# KiCad board panel.kicad_pcb (continued)
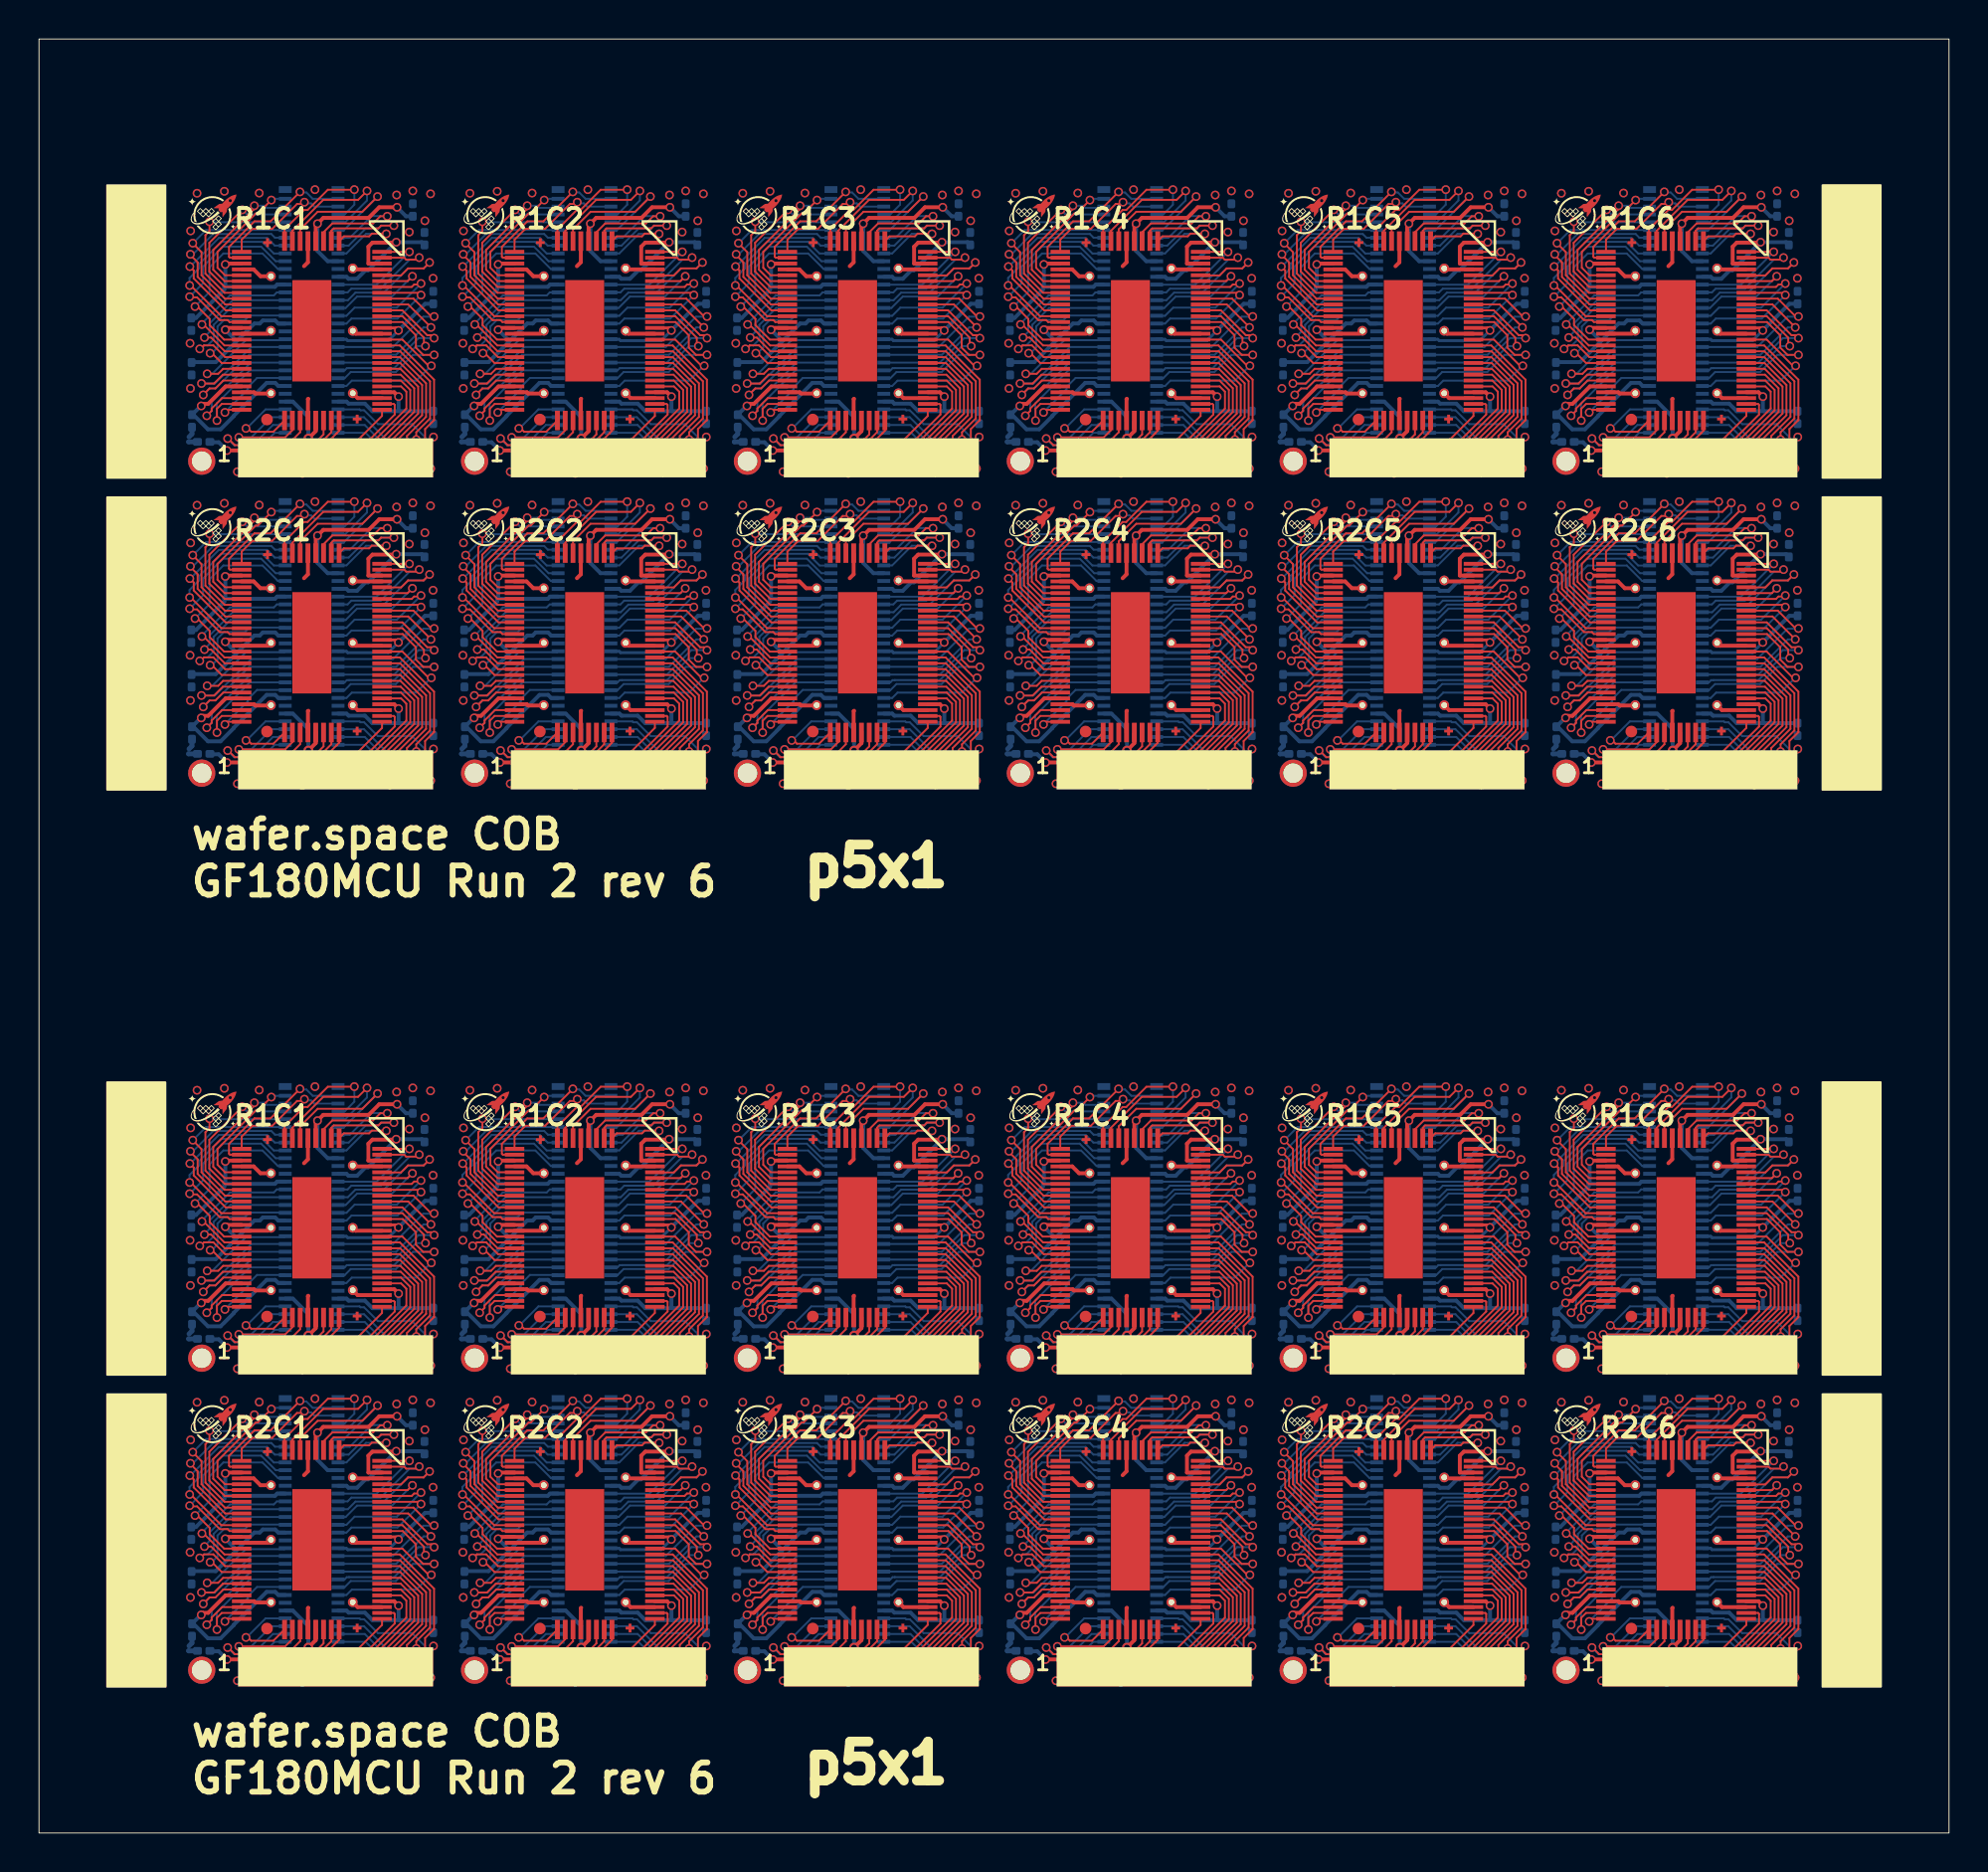
[diagram p0: board, top side]
## Routing (per net, layer and track width the routed paths; a pad name or vN(x,y) marks a point on that pad's centre or on a via; arc(x,y) is an arc through that point) (continued)
  Bottom w0.1: 85.35,78.21 85.73,78.21 86.32,78.79 88.11,78.79 89.15,79.83 v1(89.16,79.83) ; v1(89.16,17.83) 89.15,17.83 88.11,16.79 86.32,16.79 85.73,16.21 85.35,16.21 ; v1(19.16,79.83) 19.15,79.83 18.11,78.79 16.32,78.79 15.73,78.21 15.35,78.21 ; 29.35,62.21 29.73,62.21 30.32,62.79 32.11,62.79 33.15,63.83 v1(33.16,63.83) ; 57.35,62.21 57.73,62.21 58.32,62.79 60.11,62.79 61.15,63.83 v1(61.16,63.83) ; v1(75.16,63.83) 75.15,63.83 74.11,62.79 72.32,62.79 71.73,62.21 71.35,62.21 ; 43.35,62.21 43.73,62.21 44.32,62.79 46.11,62.79 47.15,63.83 v1(47.16,63.83) ; v1(19.16,63.83) 19.15,63.83 18.11,62.79 16.32,62.79 15.73,62.21 15.35,62.21 ; 57.35,78.21 57.73,78.21 58.32,78.79 60.11,78.79 61.15,79.83 v1(61.16,79.83) ; 29.35,16.21 29.73,16.21 30.32,16.79 32.11,16.79 33.15,17.83 v1(33.16,17.83) ; v1(75.16,79.83) 75.15,79.83 74.11,78.79 72.32,78.79 71.73,78.21 71.35,78.21 ; 29.35,32.21 29.73,32.21 30.32,32.79 32.11,32.79 33.15,33.83 v1(33.16,33.83) ; v1(47.16,33.83) 47.15,33.83 46.11,32.79 44.32,32.79 43.73,32.21 43.35,32.21 ; 43.35,16.21 43.73,16.21 44.32,16.79 46.11,16.79 47.15,17.83 v1(47.16,17.83) ; v1(19.16,33.83) 19.15,33.83 18.11,32.79 16.32,32.79 15.73,32.21 15.35,32.21 ; 15.35,16.21 15.73,16.21 16.32,16.79 18.11,16.79 19.15,17.83 v1(19.16,17.83) ; v1(89.16,33.83) 89.15,33.83 88.11,32.79 86.32,32.79 85.73,32.21 85.35,32.21 ; 71.35,32.21 71.73,32.21 72.32,32.79 74.11,32.79 75.15,33.83 v1(75.16,33.83) ; 29.35,78.21 29.73,78.21 30.32,78.79 32.11,78.79 33.15,79.83 v1(33.16,79.83) ; v1(47.16,79.83) 47.15,79.83 46.11,78.79 44.32,78.79 43.73,78.21 43.35,78.21 ; v1(89.16,63.83) 89.15,63.83 88.11,62.79 86.32,62.79 85.73,62.21 85.35,62.21 ; v1(61.16,33.83) 61.15,33.83 60.11,32.79 58.32,32.79 57.73,32.21 57.35,32.21 ; v1(61.16,17.83) 61.15,17.83 60.11,16.79 58.32,16.79 57.73,16.21 57.35,16.21 ; v1(75.16,17.83) 75.15,17.83 74.11,16.79 72.32,16.79 71.73,16.21 71.35,16.21
/bidir_19: length 197.2
  Top w0.1: U112.32 87.61,33.88 88.58,33.88 88.93,34.24 89.73,34.24 v1(90.04,34.54) ; 73.6,79.89 73.61,79.88 74.58,79.88 74.93,80.24 75.73,80.24 v1(76.04,80.54) ; U104#2.32 31.61,33.88 32.58,33.88 32.94,34.24 33.73,34.24 v1(34.04,34.54) ; v1(48.04,80.54) 47.73,80.24 46.94,80.24 46.58,79.88 45.61,79.88 45.6,79.89 ; U122.32 73.61,63.88 74.58,63.88 74.93,64.24 75.73,64.24 v1(76.04,64.54) ; v1(76.04,18.54) 75.73,18.24 74.93,18.24 74.58,17.88 73.61,17.88 U122#2.32 ; U108.32 59.61,33.88 60.58,33.88 60.94,34.24 61.73,34.24 v1(62.04,34.54) ; v1(90.04,64.54) 89.73,64.24 88.93,64.24 88.58,63.88 87.61,63.88 U124#2.32 ; v1(20.04,64.54) 19.73,64.24 18.94,64.24 18.58,63.88 17.61,63.88 U114.32 ; v1(48.04,64.54) 47.73,64.24 46.94,64.24 46.58,63.88 45.61,63.88 U118#2.32 ; v1(20.04,34.54) 19.73,34.24 18.94,34.24 18.58,33.88 17.61,33.88 U102#2.32 ; U120.32 59.61,17.88 60.58,17.88 60.94,18.24 61.73,18.24 v1(62.04,18.54) ; U110#2.32 73.61,33.88 74.58,33.88 74.93,34.24 75.73,34.24 v1(76.04,34.54) ; U118.32 45.61,17.88 46.58,17.88 46.94,18.24 47.73,18.24 v1(48.04,18.54) ; U106.32 45.61,33.88 46.58,33.88 46.94,34.24 47.73,34.24 v1(48.04,34.54) ; 59.6,79.89 59.61,79.88 60.58,79.88 60.94,80.24 61.73,80.24 v1(62.04,80.54) ; v1(62.04,64.54) 61.73,64.24 60.94,64.24 60.58,63.88 59.61,63.88 U120#2.32 ; U124.32 87.61,17.88 88.58,17.88 88.93,18.24 89.73,18.24 v1(90.04,18.54) ; 87.6,79.89 87.61,79.88 88.58,79.88 88.93,80.24 89.73,80.24 v1(90.04,80.54) ; v1(34.04,18.54) 33.73,18.24 32.94,18.24 32.58,17.88 31.61,17.88 U116#2.32 ; v1(20.04,80.54) 19.73,80.24 18.94,80.24 18.58,79.88 17.61,79.88 17.6,79.89 ; 31.6,79.89 31.61,79.88 32.58,79.88 32.94,80.24 33.73,80.24 v1(34.04,80.54) ; U116.32 31.61,63.88 32.58,63.88 32.94,64.24 33.73,64.24 v1(34.04,64.54) ; U114#2.32 17.61,17.88 18.58,17.88 18.94,18.24 19.73,18.24 v1(20.04,18.54)
  Bottom w0.1: U113.49 15.85,16.6 16.24,16.99 17.69,16.99 18.94,18.24 19.73,18.24 v1(20.04,18.54) ; v1(76.04,64.54) 75.73,64.24 74.93,64.24 73.69,62.99 72.24,62.99 71.85,62.6 71.35,62.6 ; v1(48.04,80.54) 47.73,80.24 46.94,80.24 45.69,78.99 44.24,78.99 43.85,78.6 U105.49 ; U123.49 85.85,16.6 86.24,16.99 87.69,16.99 88.93,18.24 89.73,18.24 v1(90.04,18.54) ; v1(20.04,34.54) 19.73,34.24 18.94,34.24 17.69,32.99 16.24,32.99 15.85,32.6 U101.49 ; v1(20.04,64.54) 19.73,64.24 18.94,64.24 17.69,62.99 16.24,62.99 15.85,62.6 U113#2.49 ; U119#2.49 57.85,16.6 58.24,16.99 59.69,16.99 60.94,18.24 61.73,18.24 v1(62.04,18.54) ; U103#2.49 29.85,78.6 30.24,78.99 31.69,78.99 32.94,80.24 33.73,80.24 v1(34.04,80.54) ; U111#2.49 85.85,78.6 86.24,78.99 87.69,78.99 88.93,80.24 89.73,80.24 v1(90.04,80.54) ; U123#2.49 85.85,62.6 86.24,62.99 87.69,62.99 88.93,64.24 89.73,64.24 v1(90.04,64.54) ; U103.49 29.85,32.6 30.24,32.99 31.69,32.99 32.94,34.24 33.73,34.24 v1(34.04,34.54) ; v1(62.04,34.54) 61.73,34.24 60.94,34.24 59.69,32.99 58.24,32.99 57.85,32.6 U107.49 ; U105#2.49 43.85,32.6 44.24,32.99 45.69,32.99 46.94,34.24 47.73,34.24 v1(48.04,34.54) ; 71.35,78.6 71.85,78.6 72.24,78.99 73.69,78.99 74.93,80.24 75.73,80.24 v1(76.04,80.54) ; v1(76.04,34.54) 75.73,34.24 74.93,34.24 73.69,32.99 72.24,32.99 71.85,32.6 71.35,32.6 ; U117.49 43.85,16.6 44.24,16.99 45.69,16.99 46.94,18.24 47.73,18.24 v1(48.04,18.54) ; U117#2.49 43.85,62.6 44.24,62.99 45.69,62.99 46.94,64.24 47.73,64.24 v1(48.04,64.54) ; v1(90.04,34.54) 89.73,34.24 88.93,34.24 87.69,32.99 86.24,32.99 85.85,32.6 U111.49 ; v1(62.04,64.54) 61.73,64.24 60.94,64.24 59.69,62.99 58.24,62.99 57.85,62.6 U119.49 ; U115#2.49 29.85,62.6 30.24,62.99 31.69,62.99 32.94,64.24 33.73,64.24 v1(34.04,64.54) ; U107#2.49 57.85,78.6 58.24,78.99 59.69,78.99 60.94,80.24 61.73,80.24 v1(62.04,80.54) ; U115.49 29.85,16.6 30.24,16.99 31.69,16.99 32.94,18.24 33.73,18.24 v1(34.04,18.54) ; U101#2.49 15.85,78.6 16.24,78.99 17.69,78.99 18.94,80.24 19.73,80.24 v1(20.04,80.54) ; 71.35,16.6 71.85,16.6 72.24,16.99 73.69,16.99 74.93,18.24 75.73,18.24 v1(76.04,18.54)
/bidir_20: length 165.6
  Top w0.1: v1(75.51,34.79) 75.4,34.69 74.84,34.69 74.74,34.79 U110#2.35 ; U104.35 32.74,80.79 32.84,80.69 33.41,80.69 v1(33.51,80.79) ; U116.35 32.74,64.79 32.84,64.69 33.41,64.69 v1(33.51,64.79) ; U110.35 74.74,80.79 74.84,80.69 75.4,80.69 v1(75.51,80.79) ; U102#2.35 18.74,34.79 18.84,34.69 19.41,34.69 v1(19.51,34.79) ; U118#2.35 46.74,64.79 46.84,64.69 47.41,64.69 v1(47.51,64.79) ; v1(61.51,64.79) 61.41,64.69 60.84,64.69 60.74,64.79 U120#2.35 ; v1(89.51,34.79) 89.4,34.69 88.84,34.69 88.74,34.79 U112.35 ; U114#2.35 18.74,18.79 18.84,18.69 19.41,18.69 v1(19.51,18.79) ; v1(47.51,18.79) 47.41,18.69 46.84,18.69 46.74,18.79 U118.35 ; U106#2.35 46.74,80.79 46.84,80.69 47.41,80.69 v1(47.51,80.79) ; U114.35 18.74,64.79 18.84,64.69 19.41,64.69 v1(19.51,64.79) ; U108#2.35 60.74,80.79 60.84,80.69 61.41,80.69 v1(61.51,80.79) ; U120.35 60.74,18.79 60.84,18.69 61.41,18.69 v1(61.51,18.79) ; U106.35 46.74,34.79 46.84,34.69 47.41,34.69 v1(47.51,34.79) ; v1(89.51,80.79) 89.4,80.69 88.84,80.69 88.74,80.79 U112#2.35 ; U122.35 74.74,64.79 74.84,64.69 75.4,64.69 v1(75.51,64.79) ; v1(75.51,18.79) 75.4,18.69 74.84,18.69 74.74,18.79 U122#2.35 ; U124.35 88.74,18.79 88.84,18.69 89.4,18.69 v1(89.51,18.79) ; v1(33.51,34.79) 33.41,34.69 32.84,34.69 32.74,34.79 U104#2.35 ; U102.35 18.74,80.79 18.84,80.69 19.41,80.69 v1(19.51,80.79) ; U108.35 60.74,34.79 60.84,34.69 61.41,34.69 v1(61.51,34.79) ; U116#2.35 32.74,18.79 32.84,18.69 33.41,18.69 v1(33.51,18.79) ; v1(89.51,64.79) 89.4,64.69 88.84,64.69 88.74,64.79 U124#2.35
  Bottom w0.1: v1(89.51,34.79) 89.4,34.69 89.02,34.69 87.53,33.2 86.03,33.2 85.83,33 U111.48 ; U111#2.48 85.83,79 86.03,79.2 87.53,79.2 89.02,80.69 89.4,80.69 v1(89.51,80.79) ; U101.48 15.83,33 16.03,33.2 17.53,33.2 19.02,34.69 19.41,34.69 v1(19.51,34.79) ; U123#2.48 85.83,63 86.03,63.2 87.53,63.2 89.02,64.69 89.4,64.69 v1(89.51,64.79) ; v1(61.51,18.79) 61.41,18.69 61.02,18.69 59.53,17.2 58.03,17.2 57.83,17 U119#2.48 ; U115.48 29.83,17 30.03,17.2 31.53,17.2 33.02,18.69 33.41,18.69 v1(33.51,18.79) ; v1(33.51,80.79) 33.41,80.69 33.02,80.69 31.53,79.2 30.03,79.2 29.83,79 U103#2.48 ; 71.35,79.01 71.83,79 72.03,79.2 73.53,79.2 75.02,80.69 75.4,80.69 v1(75.51,80.79) ; v1(61.51,34.79) 61.41,34.69 61.02,34.69 59.53,33.2 58.03,33.2 57.83,33 U107.48 ; v1(47.51,64.79) 47.41,64.69 47.02,64.69 45.53,63.2 44.03,63.2 43.83,63 U117#2.48 ; v1(33.51,64.79) 33.41,64.69 33.02,64.69 31.53,63.2 30.03,63.2 29.83,63 U115#2.48 ; v1(47.51,18.79) 47.41,18.69 47.02,18.69 45.53,17.2 44.03,17.2 43.83,17 U117.48 ; v1(47.51,80.79) 47.41,80.69 47.02,80.69 45.53,79.2 44.03,79.2 43.83,79 U105.48 ; U107#2.48 57.83,79 58.03,79.2 59.53,79.2 61.02,80.69 61.41,80.69 v1(61.51,80.79) ; v1(19.51,18.79) 19.41,18.69 19.02,18.69 17.53,17.2 16.03,17.2 15.83,17 U113.48 ; 71.35,17.01 71.83,17 72.03,17.2 73.53,17.2 75.02,18.69 75.4,18.69 v1(75.51,18.79) ; U103.48 29.83,33 30.03,33.2 31.53,33.2 33.02,34.69 33.41,34.69 v1(33.51,34.79) ; v1(75.51,34.79) 75.4,34.69 75.02,34.69 73.53,33.2 72.03,33.2 71.83,33 71.35,33.01 ; U113#2.48 15.83,63 16.03,63.2 17.53,63.2 19.02,64.69 19.41,64.69 v1(19.51,64.79) ; U101#2.48 15.83,79 16.03,79.2 17.53,79.2 19.02,80.69 19.41,80.69 v1(19.51,80.79) ; v1(89.51,18.79) 89.4,18.69 89.02,18.69 87.53,17.2 86.03,17.2 85.83,17 U123.48 ; U105#2.48 43.83,33 44.03,33.2 45.53,33.2 47.02,34.69 47.41,34.69 v1(47.51,34.79) ; 71.35,63.01 71.83,63 72.03,63.2 73.53,63.2 75.02,64.69 75.4,64.69 v1(75.51,64.79) ; v1(61.51,64.79) 61.41,64.69 61.02,64.69 59.53,63.2 58.03,63.2 57.83,63 U119.48
/bidir_21: length 138.4
  Top w0.1: v1(75.01,81.09) U110.36 ; v1(61.01,19.09) U120.36 ; v1(61.01,35.09) U108.36 ; v1(33.01,19.09) U116#2.36 ; v1(33.01,35.09) U104#2.36 ; v1(89.01,81.09) U112#2.36 ; v1(19.01,35.09) U102#2.36 ; v1(47.01,65.09) U118#2.36 ; v1(19.01,65.09) U114.36 ; v1(33.01,81.09) U104.36 ; v1(47.01,35.09) U106.36 ; v1(47.01,19.09) U118.36 ; v1(33.01,65.09) U116.36 ; v1(75.01,35.09) U110#2.36 ; v1(19.01,81.09) U102.36 ; v1(75.01,65.09) U122.36 ; v1(61.01,65.09) U120#2.36 ; v1(89.01,65.09) U124#2.36 ; v1(47.01,81.09) U106#2.36 ; v1(19.01,19.09) U114#2.36 ; v1(75.01,19.09) U122#2.36 ; v1(61.01,81.09) U108#2.36 ; v1(89.01,19.09) U124.36 ; v1(89.01,35.09) U112.36
  Bottom w0.1: v1(19.01,65.09) 17.32,63.4 15.35,63.4 15.35,63.41 ; v1(19.01,19.09) 17.32,17.4 15.35,17.4 15.35,17.41 ; v1(61.01,65.09) 59.32,63.4 57.35,63.4 57.35,63.41 ; v1(47.01,35.09) 45.32,33.4 43.35,33.4 43.35,33.41 ; v1(61.01,19.09) 59.32,17.4 57.35,17.4 57.35,17.41 ; 29.35,63.41 29.35,63.4 31.32,63.4 v1(33.01,65.09) ; 43.35,79.41 43.35,79.4 45.32,79.4 v1(47.01,81.09) ; 43.35,63.41 43.35,63.4 45.32,63.4 v1(47.01,65.09) ; 29.35,17.41 29.35,17.4 31.32,17.4 v1(33.01,19.09) ; 71.35,17.41 71.35,17.4 73.32,17.4 v1(75.01,19.09) ; 85.35,17.41 85.35,17.4 87.32,17.4 v1(89.01,19.09) ; v1(19.01,35.09) 17.32,33.4 15.35,33.4 15.35,33.41 ; v1(33.01,81.09) 31.32,79.4 29.35,79.4 29.35,79.41 ; 29.35,33.41 29.35,33.4 31.32,33.4 v1(33.01,35.09) ; 85.35,63.41 85.35,63.4 87.32,63.4 v1(89.01,65.09) ; v1(89.01,81.09) 87.32,79.4 85.35,79.4 85.35,79.41 ; v1(19.01,81.09) 17.32,79.4 15.35,79.4 15.35,79.41 ; 71.35,33.41 71.35,33.4 73.32,33.4 v1(75.01,35.09) ; 71.35,79.41 71.35,79.4 73.32,79.4 v1(75.01,81.09) ; 57.35,79.41 57.35,79.4 59.32,79.4 v1(61.01,81.09) ; 85.35,33.41 85.35,33.4 87.32,33.4 v1(89.01,35.09) ; v1(61.01,35.09) 59.32,33.4 57.35,33.4 57.35,33.41 ; 43.35,17.41 43.35,17.4 45.32,17.4 v1(47.01,19.09) ; v1(75.01,65.09) 73.32,63.4 71.35,63.4 71.35,63.41
/bidir_22: length 155
  Top w0.1: v1(41.62,83.63) 41.53,83.54 41.24,83.54 39.97,82.27 38.95,82.27 38.4,81.71 U106#2.45 ; v1(69.62,21.63) 69.53,21.54 69.24,21.54 67.97,20.27 66.95,20.27 66.4,19.71 U122#2.45 ; v1(83.62,67.63) 83.53,67.54 83.24,67.54 81.96,66.27 80.95,66.27 80.4,65.71 U124#2.45 ; U110#2.45 66.4,35.71 66.95,36.27 67.97,36.27 69.24,37.54 69.53,37.54 v1(69.62,37.63) ; U114.45 10.4,65.71 10.95,66.27 11.97,66.27 13.24,67.54 13.53,67.54 v1(13.62,67.63) ; U114#2.45 10.4,19.71 10.95,20.27 11.97,20.27 13.24,21.54 13.53,21.54 v1(13.62,21.63) ; v1(83.62,21.63) 83.53,21.54 83.24,21.54 81.96,20.27 80.95,20.27 80.4,19.71 U124.45 ; v1(13.62,83.63) 13.53,83.54 13.24,83.54 11.97,82.27 10.95,82.27 10.4,81.71 U102.45 ; v1(69.62,83.63) 69.53,83.54 69.24,83.54 67.97,82.27 66.95,82.27 66.4,81.71 U110.45 ; v1(27.62,21.63) 27.53,21.54 27.24,21.54 25.97,20.27 24.95,20.27 24.4,19.71 U116#2.45 ; v1(55.62,67.63) 55.53,67.54 55.24,67.54 53.97,66.27 52.95,66.27 52.4,65.71 U120#2.45 ; v1(83.62,83.63) 83.53,83.54 83.24,83.54 81.96,82.27 80.95,82.27 80.4,81.71 U112#2.45 ; U102#2.45 10.4,35.71 10.95,36.27 11.97,36.27 13.24,37.54 13.53,37.54 v1(13.62,37.63) ; U112.45 80.4,35.71 80.95,36.27 81.96,36.27 83.24,37.54 83.53,37.54 v1(83.62,37.63) ; U108.45 52.4,35.71 52.95,36.27 53.97,36.27 55.24,37.54 55.53,37.54 v1(55.62,37.63) ; v1(41.62,21.63) 41.53,21.54 41.24,21.54 39.97,20.27 38.95,20.27 38.4,19.71 U118.45 ; U122.45 66.4,65.71 66.95,66.27 67.97,66.27 69.24,67.54 69.53,67.54 v1(69.62,67.63) ; U106.45 38.4,35.71 38.95,36.27 39.97,36.27 41.24,37.54 41.53,37.54 v1(41.62,37.63) ; U118#2.45 38.4,65.71 38.95,66.27 39.97,66.27 41.24,67.54 41.53,67.54 v1(41.62,67.63) ; U104#2.45 24.4,35.71 24.95,36.27 25.97,36.27 27.24,37.54 27.53,37.54 v1(27.62,37.63) ; v1(55.62,21.63) 55.53,21.54 55.24,21.54 53.97,20.27 52.95,20.27 52.4,19.71 U120.45 ; U104.45 24.4,81.71 24.95,82.27 25.97,82.27 27.24,83.54 27.53,83.54 v1(27.62,83.63) ; U108#2.45 52.4,81.71 52.95,82.27 53.97,82.27 55.24,83.54 55.53,83.54 v1(55.62,83.63) ; v1(27.62,67.63) 27.53,67.54 27.24,67.54 25.97,66.27 24.95,66.27 24.4,65.71 U116.45
  Bottom w0.1: v1(55.62,37.63) 55.68,37.57 55.96,37.57 56.12,37.41 57.35,37.41 ; 15.35,67.41 14.12,67.41 13.96,67.57 13.68,67.57 v1(13.62,67.63) ; 85.35,21.41 84.12,21.41 83.96,21.57 83.68,21.57 v1(83.62,21.63) ; 15.35,21.41 14.12,21.41 13.96,21.57 13.68,21.57 v1(13.62,21.63) ; 85.35,83.41 84.12,83.41 83.96,83.57 83.68,83.57 v1(83.62,83.63) ; 85.35,67.41 84.12,67.41 83.96,67.57 83.68,67.57 v1(83.62,67.63) ; v1(55.62,67.63) 55.68,67.57 55.96,67.57 56.12,67.41 57.35,67.41 ; 71.35,21.41 70.12,21.41 69.96,21.57 69.68,21.57 v1(69.62,21.63) ; 71.35,67.41 70.12,67.41 69.96,67.57 69.68,67.57 v1(69.62,67.63) ; v1(69.62,37.63) 69.68,37.57 69.96,37.57 70.12,37.41 71.35,37.41 ; v1(27.62,37.63) 27.68,37.57 27.96,37.57 28.12,37.41 29.35,37.41 ; v1(41.62,67.63) 41.68,67.57 41.96,67.57 42.12,67.41 43.35,67.41 ; v1(41.62,21.63) 41.68,21.57 41.96,21.57 42.12,21.41 43.35,21.41 ; v1(13.62,83.63) 13.68,83.57 13.96,83.57 14.12,83.41 15.35,83.41 ; 15.35,37.41 14.12,37.41 13.96,37.57 13.68,37.57 v1(13.62,37.63) ; v1(55.62,83.63) 55.68,83.57 55.96,83.57 56.12,83.41 57.35,83.41 ; 57.35,21.41 56.12,21.41 55.96,21.57 55.68,21.57 v1(55.62,21.63) ; 29.35,67.41 28.12,67.41 27.96,67.57 27.68,67.57 v1(27.62,67.63) ; 43.35,37.41 42.12,37.41 41.96,37.57 41.68,37.57 v1(41.62,37.63) ; 43.35,83.41 42.12,83.41 41.96,83.57 41.68,83.57 v1(41.62,83.63) ; 29.35,83.41 28.12,83.41 27.96,83.57 27.68,83.57 v1(27.62,83.63) ; 85.35,37.41 84.12,37.41 83.96,37.57 83.68,37.57 v1(83.62,37.63) ; 29.35,21.41 28.12,21.41 27.96,21.57 27.68,21.57 v1(27.62,21.63) ; 71.35,83.41 70.12,83.41 69.96,83.57 69.68,83.57 v1(69.62,83.63)
/bidir_23: length 196.5
  Top w0.1: U106#2.46 37.8,80.79 37.75,80.84 37.75,81.34 39.06,82.65 39.88,82.65 v1(41.39,84.16) 41.39,84.06 ; U118.46 37.8,18.79 37.75,18.84 37.75,19.34 39.06,20.65 39.88,20.65 v1(41.39,22.16) 41.39,22.06 ; 41.39,38.06 v1(41.39,38.16) 39.88,36.65 39.06,36.65 37.75,35.34 37.75,34.84 37.8,34.79 U106.46 ; U108#2.46 51.8,80.79 51.75,80.84 51.75,81.34 53.06,82.65 53.88,82.65 v1(55.39,84.16) 55.39,84.06 ; U114.46 9.8,64.79 9.75,64.84 9.75,65.34 11.06,66.65 11.88,66.65 v1(13.39,68.16) 13.39,68.06 ; U124#2.46 79.8,64.79 79.75,64.84 79.75,65.34 81.06,66.65 81.88,66.65 v1(83.39,68.16) 83.39,68.06 ; 55.39,68.06 v1(55.39,68.16) 53.88,66.65 53.06,66.65 51.75,65.34 51.75,64.84 51.8,64.79 U120#2.46 ; 69.39,68.06 v1(69.39,68.16) 67.88,66.65 67.06,66.65 65.75,65.34 65.75,64.84 65.8,64.79 U122.46 ; U108.46 51.8,34.79 51.75,34.84 51.75,35.34 53.06,36.65 53.88,36.65 v1(55.39,38.16) 55.39,38.06 ; 27.39,22.06 v1(27.39,22.16) 25.88,20.65 25.06,20.65 23.75,19.34 23.75,18.84 23.8,18.79 U116#2.46 ; U112#2.46 79.8,80.79 79.75,80.84 79.75,81.34 81.06,82.65 81.88,82.65 v1(83.39,84.16) 83.39,84.06 ; U122#2.46 65.8,18.79 65.75,18.84 65.75,19.34 67.06,20.65 67.88,20.65 v1(69.39,22.16) 69.39,22.06 ; 13.39,84.06 v1(13.39,84.16) 11.88,82.65 11.06,82.65 9.75,81.34 9.75,80.84 9.8,80.79 U102.46 ; 27.39,38.06 v1(27.39,38.16) 25.88,36.65 25.06,36.65 23.75,35.34 23.75,34.84 23.8,34.79 U104#2.46 ; 83.39,22.06 v1(83.39,22.16) 81.88,20.65 81.06,20.65 79.75,19.34 79.75,18.84 79.8,18.79 U124.46 ; U104.46 23.8,80.79 23.75,80.84 23.75,81.34 25.06,82.65 25.88,82.65 v1(27.39,84.16) 27.39,84.06 ; U102#2.46 9.8,34.79 9.75,34.84 9.75,35.34 11.06,36.65 11.88,36.65 v1(13.39,38.16) 13.39,38.06 ; 69.39,84.06 v1(69.39,84.16) 67.88,82.65 67.06,82.65 65.75,81.34 65.75,80.84 65.8,80.79 U110.46 ; U118#2.46 37.8,64.79 37.75,64.84 37.75,65.34 39.06,66.65 39.88,66.65 v1(41.39,68.16) 41.39,68.06 ; 55.39,22.06 v1(55.39,22.16) 53.88,20.65 53.06,20.65 51.75,19.34 51.75,18.84 51.8,18.79 U120.46 ; U114#2.46 9.8,18.79 9.75,18.84 9.75,19.34 11.06,20.65 11.88,20.65 v1(13.39,22.16) 13.39,22.06 ; U112.46 79.8,34.79 79.75,34.84 79.75,35.34 81.06,36.65 81.88,36.65 v1(83.39,38.16) 83.39,38.06 ; U110#2.46 65.8,34.79 65.75,34.84 65.75,35.34 67.06,36.65 67.88,36.65 v1(69.39,38.16) 69.39,38.06 ; 27.39,68.06 v1(27.39,68.16) 25.88,66.65 25.06,66.65 23.75,65.34 23.75,64.84 23.8,64.79 U116.46
  Bottom w0.1: 29.35,37.81 28.05,37.81 27.72,38.13 27.42,38.13 v1(27.39,38.16) ; 15.35,83.81 14.05,83.81 13.72,84.13 13.42,84.13 v1(13.39,84.16) ; v1(83.39,38.16) 83.42,38.13 83.72,38.13 84.05,37.81 85.35,37.81 ; v1(83.39,22.16) 83.42,22.13 83.72,22.13 84.05,21.81 85.35,21.81 ; 85.35,83.81 84.05,83.81 83.72,84.13 83.42,84.13 v1(83.39,84.16) ; 15.35,21.81 14.05,21.81 13.72,22.13 13.42,22.13 v1(13.39,22.16) ; 57.35,67.81 56.05,67.81 55.72,68.13 55.42,68.13 v1(55.39,68.16) ; v1(27.39,68.16) 27.42,68.13 27.72,68.13 28.05,67.81 29.35,67.81 ; 71.35,67.81 70.05,67.81 69.72,68.13 69.42,68.13 v1(69.39,68.16) ; 71.35,37.81 70.05,37.81 69.72,38.13 69.42,38.13 v1(69.39,38.16) ; v1(41.39,38.16) 41.42,38.13 41.72,38.13 42.05,37.81 43.35,37.81 ; v1(27.39,84.16) 27.42,84.13 27.72,84.13 28.05,83.81 29.35,83.81 ; 57.35,37.81 56.05,37.81 55.72,38.13 55.42,38.13 v1(55.39,38.16) ; 15.35,67.81 14.05,67.81 13.72,68.13 13.42,68.13 v1(13.39,68.16) ; v1(69.39,84.16) 69.42,84.13 69.72,84.13 70.05,83.81 71.35,83.81 ; 43.35,67.81 42.05,67.81 41.72,68.13 41.42,68.13 v1(41.39,68.16) ; v1(83.39,68.16) 83.42,68.13 83.72,68.13 84.05,67.81 85.35,67.81 ; v1(55.39,22.16) 55.42,22.13 55.72,22.13 56.05,21.81 57.35,21.81 ; v1(55.39,84.16) 55.42,84.13 55.72,84.13 56.05,83.81 57.35,83.81 ; 43.35,83.81 42.05,83.81 41.72,84.13 41.42,84.13 v1(41.39,84.16) ; 29.35,21.81 28.05,21.81 27.72,22.13 27.42,22.13 v1(27.39,22.16) ; 71.35,21.81 70.05,21.81 69.72,22.13 69.42,22.13 v1(69.39,22.16) ; v1(41.39,22.16) 41.42,22.13 41.72,22.13 42.05,21.81 43.35,21.81 ; 15.35,37.81 14.05,37.81 13.72,38.13 13.42,38.13 v1(13.39,38.16)
/bidir_24: length 163.6
  Top w0.1: v1(11.92,21.74) 11.23,21.05 11.12,21.05 9.16,19.09 9.16,18.27 9.54,17.89 10.4,17.89 ; 52.4,17.89 51.54,17.89 51.16,18.27 51.16,19.09 53.12,21.05 53.23,21.05 v1(53.92,21.74) ; v1(39.92,21.74) 39.23,21.05 39.12,21.05 37.16,19.09 37.16,18.27 37.54,17.89 38.4,17.89 ; U108#2.49 51.54,79.89 51.16,80.27 51.16,81.09 53.12,83.05 53.23,83.05 v1(53.92,83.74) ; v1(39.92,67.74) 39.23,67.05 39.12,67.05 37.16,65.09 37.16,64.27 37.54,63.89 38.4,63.89 ; 10.4,33.89 9.54,33.89 9.16,34.27 9.16,35.09 11.12,37.05 11.23,37.05 v1(11.92,37.74) ; 66.4,63.89 65.54,63.89 65.16,64.27 65.16,65.09 67.12,67.05 67.23,67.05 v1(67.92,67.74) ; v1(25.92,21.74) 25.23,21.05 25.12,21.05 23.16,19.09 23.16,18.27 23.54,17.89 24.4,17.89 ; v1(11.92,67.74) 11.23,67.05 11.12,67.05 9.16,65.09 9.16,64.27 9.54,63.89 10.4,63.89 ; 24.4,33.89 23.54,33.89 23.16,34.27 23.16,35.09 25.12,37.05 25.23,37.05 v1(25.92,37.74) ; 80.4,33.89 79.54,33.89 79.16,34.27 79.16,35.09 81.12,37.05 81.23,37.05 v1(81.92,37.74) ; 52.4,33.89 51.54,33.89 51.16,34.27 51.16,35.09 53.12,37.05 53.23,37.05 v1(53.92,37.74) ; U112#2.49 79.54,79.89 79.16,80.27 79.16,81.09 81.12,83.05 81.23,83.05 v1(81.92,83.74) ; v1(67.92,21.74) 67.23,21.05 67.12,21.05 65.16,19.09 65.16,18.27 65.54,17.89 66.4,17.89 ; 66.4,33.89 65.54,33.89 65.16,34.27 65.16,35.09 67.12,37.05 67.23,37.05 v1(67.92,37.74) ; v1(81.92,21.74) 81.23,21.05 81.12,21.05 79.16,19.09 79.16,18.27 79.54,17.89 80.4,17.89 ; 52.4,63.89 51.54,63.89 51.16,64.27 51.16,65.09 53.12,67.05 53.23,67.05 v1(53.92,67.74) ; v1(67.92,83.74) 67.23,83.05 67.12,83.05 65.16,81.09 65.16,80.27 65.54,79.89 U110.49 ; U104.49 23.54,79.89 23.16,80.27 23.16,81.09 25.12,83.05 25.23,83.05 v1(25.92,83.74) ; U106#2.49 37.54,79.89 37.16,80.27 37.16,81.09 39.12,83.05 39.23,83.05 v1(39.92,83.74) ; v1(11.92,83.74) 11.23,83.05 11.12,83.05 9.16,81.09 9.16,80.27 9.54,79.89 U102.49 ; 80.4,63.89 79.54,63.89 79.16,64.27 79.16,65.09 81.12,67.05 81.23,67.05 v1(81.92,67.74) ; 38.4,33.89 37.54,33.89 37.16,34.27 37.16,35.09 39.12,37.05 39.23,37.05 v1(39.92,37.74) ; 24.4,63.89 23.54,63.89 23.16,64.27 23.16,65.09 25.12,67.05 25.23,67.05 v1(25.92,67.74)
  Bottom w0.1: 12.64,21.81 11.99,21.81 v1(11.92,21.74) ; v1(67.92,37.74) 67.99,37.81 68.64,37.81 ; v1(11.92,83.74) 11.99,83.81 12.64,83.81 ; v1(39.92,37.74) 39.99,37.81 40.64,37.81 ; v1(39.92,21.74) 39.99,21.81 40.64,21.81 ; v1(11.92,67.74) 11.99,67.81 12.64,67.81 ; v1(53.92,37.74) 53.99,37.81 54.64,37.81 ; 26.64,83.81 25.99,83.81 v1(25.92,83.74) ; U111.35 81.99,37.81 v1(81.92,37.74) ; v1(25.92,67.74) 25.99,67.81 26.64,67.81 ; v1(67.92,21.74) 67.99,21.81 68.64,21.81 ; 40.64,83.81 39.99,83.81 v1(39.92,83.74) ; 54.64,83.81 53.99,83.81 v1(53.92,83.74) ; U123.35 81.99,21.81 v1(81.92,21.74) ; v1(39.92,67.74) 39.99,67.81 40.64,67.81 ; 54.64,21.81 53.99,21.81 v1(53.92,21.74) ; v1(25.92,37.74) 25.99,37.81 26.64,37.81 ; v1(25.92,21.74) 25.99,21.81 26.64,21.81 ; v1(81.92,83.74) 81.99,83.81 U111#2.35 ; v1(81.92,67.74) 81.99,67.81 U123#2.35 ; 54.64,67.81 53.99,67.81 v1(53.92,67.74) ; 68.64,67.81 67.99,67.81 v1(67.92,67.74) ; 12.64,37.81 11.99,37.81 v1(11.92,37.74) ; v1(67.92,83.74) 67.99,83.81 68.64,83.81
/bidir_25: length 184.8
  Top w0.1: 53.05,37.26 v1(53.05,37.45) 53.05,37.29 50.94,35.18 50.94,34.17 51.52,33.59 52.4,33.59 ; 52.4,17.59 51.52,17.59 50.94,18.17 50.94,19.18 53.05,21.29 v1(53.05,21.45) 53.05,21.26 ; 38.4,33.59 37.52,33.59 36.94,34.17 36.94,35.18 39.05,37.29 v1(39.05,37.45) 39.05,37.26 ; 24.4,63.59 23.52,63.59 22.94,64.17 22.94,65.18 25.05,67.29 v1(25.05,67.45) 25.05,67.26 ; 67.05,83.26 v1(67.05,83.45) 67.05,83.29 64.94,81.18 64.94,80.17 65.52,79.59 66.4,79.59 ; 25.05,37.26 v1(25.05,37.45) 25.05,37.29 22.94,35.18 22.94,34.17 23.52,33.59 24.4,33.59 ; 81.05,37.26 v1(81.05,37.45) 81.05,37.29 78.94,35.18 78.94,34.17 79.52,33.59 80.4,33.59 ; 80.4,79.59 79.52,79.59 78.94,80.17 78.94,81.18 81.05,83.29 v1(81.05,83.45) 81.05,83.26 ; 38.4,63.59 37.52,63.59 36.94,64.17 36.94,65.18 39.05,67.29 v1(39.05,67.45) 39.05,67.26 ; 67.05,67.26 v1(67.05,67.45) 67.05,67.29 64.94,65.18 64.94,64.17 65.52,63.59 66.4,63.59 ; 52.4,63.59 51.52,63.59 50.94,64.17 50.94,65.18 53.05,67.29 v1(53.05,67.45) 53.05,67.26 ; 80.4,17.59 79.52,17.59 78.94,18.17 78.94,19.18 81.05,21.29 v1(81.05,21.45) 81.05,21.26 ; 25.05,21.26 v1(25.05,21.45) 25.05,21.29 22.94,19.18 22.94,18.17 23.52,17.59 24.4,17.59 ; 11.05,37.26 v1(11.05,37.45) 11.05,37.29 8.94,35.18 8.94,34.17 9.52,33.59 10.4,33.59 ; 67.05,21.26 v1(67.05,21.45) 67.05,21.29 64.94,19.18 64.94,18.17 65.52,17.59 66.4,17.59 ; 39.05,21.26 v1(39.05,21.45) 39.05,21.29 36.94,19.18 36.94,18.17 37.52,17.59 38.4,17.59 ; 11.05,67.26 v1(11.05,67.45) 11.05,67.29 8.94,65.18 8.94,64.17 9.52,63.59 10.4,63.59 ; 66.4,33.59 65.52,33.59 64.94,34.17 64.94,35.18 67.05,37.29 v1(67.05,37.45) 67.05,37.26 ; 80.4,63.59 79.52,63.59 78.94,64.17 78.94,65.18 81.05,67.29 v1(81.05,67.45) 81.05,67.26 ; 10.4,17.59 9.52,17.59 8.94,18.17 8.94,19.18 11.05,21.29 v1(11.05,21.45) 11.05,21.26 ; 53.05,83.26 v1(53.05,83.45) 53.05,83.29 50.94,81.18 50.94,80.17 51.52,79.59 52.4,79.59 ; 25.05,83.26 v1(25.05,83.45) 25.05,83.29 22.94,81.18 22.94,80.17 23.52,79.59 24.4,79.59 ; 10.4,79.59 9.52,79.59 8.94,80.17 8.94,81.18 11.05,83.29 v1(11.05,83.45) 11.05,83.26 ; 39.05,83.26 v1(39.05,83.45) 39.05,83.29 36.94,81.18 36.94,80.17 37.52,79.59 38.4,79.59
  Bottom w0.1: v1(25.05,83.45) 25.58,83.45 25.69,83.34 26.57,83.34 26.64,83.4 ; 40.64,37.4 40.57,37.34 39.69,37.34 39.58,37.45 v1(39.05,37.45) ; v1(81.05,83.45) 81.58,83.45 81.69,83.34 82.57,83.34 U111#2.34 ; v1(25.05,21.45) 25.58,21.45 25.69,21.34 26.57,21.34 26.64,21.4 ; 82.64,21.4 82.57,21.34 81.69,21.34 81.58,21.45 v1(81.05,21.45) ; 68.64,37.4 68.57,37.34 67.69,37.34 67.58,37.45 v1(67.05,37.45) ; 12.64,83.4 12.57,83.34 11.69,83.34 11.58,83.45 v1(11.05,83.45) ; v1(11.05,21.45) 11.58,21.45 11.69,21.34 12.57,21.34 12.64,21.4 ; v1(39.05,67.45) 39.58,67.45 39.69,67.34 40.57,67.34 40.64,67.4 ; 82.64,67.4 82.57,67.34 81.69,67.34 81.58,67.45 v1(81.05,67.45) ; v1(25.05,37.45) 25.58,37.45 25.69,37.34 26.57,37.34 26.64,37.4 ; 12.64,37.4 12.57,37.34 11.69,37.34 11.58,37.45 v1(11.05,37.45) ; 68.64,83.4 68.57,83.34 67.69,83.34 67.58,83.45 v1(67.05,83.45) ; v1(39.05,21.45) 39.58,21.45 39.69,21.34 40.57,21.34 40.64,21.4 ; v1(81.05,37.45) 81.58,37.45 81.69,37.34 82.57,37.34 82.64,37.4 ; v1(39.05,83.45) 39.58,83.45 39.69,83.34 40.57,83.34 40.64,83.4 ; v1(53.05,37.45) 53.58,37.45 53.69,37.34 54.57,37.34 54.64,37.4 ; 54.64,83.4 54.57,83.34 53.69,83.34 53.58,83.45 v1(53.05,83.45) ; 54.64,67.4 54.57,67.34 53.69,67.34 53.58,67.45 v1(53.05,67.45) ; 68.64,67.4 68.57,67.34 67.69,67.34 67.58,67.45 v1(67.05,67.45) ; 68.64,21.4 68.57,21.34 67.69,21.34 67.58,21.45 v1(67.05,21.45) ; v1(53.05,21.45) 53.58,21.45 53.69,21.34 54.57,21.34 54.64,21.4 ; 26.64,67.4 26.57,67.34 25.69,67.34 25.58,67.45 v1(25.05,67.45) ; 12.64,67.4 12.57,67.34 11.69,67.34 11.58,67.45 v1(11.05,67.45)
